# KiCad board Rogelio Pineda part 6-AMLDC-2044B.kicad_pcb (continued)
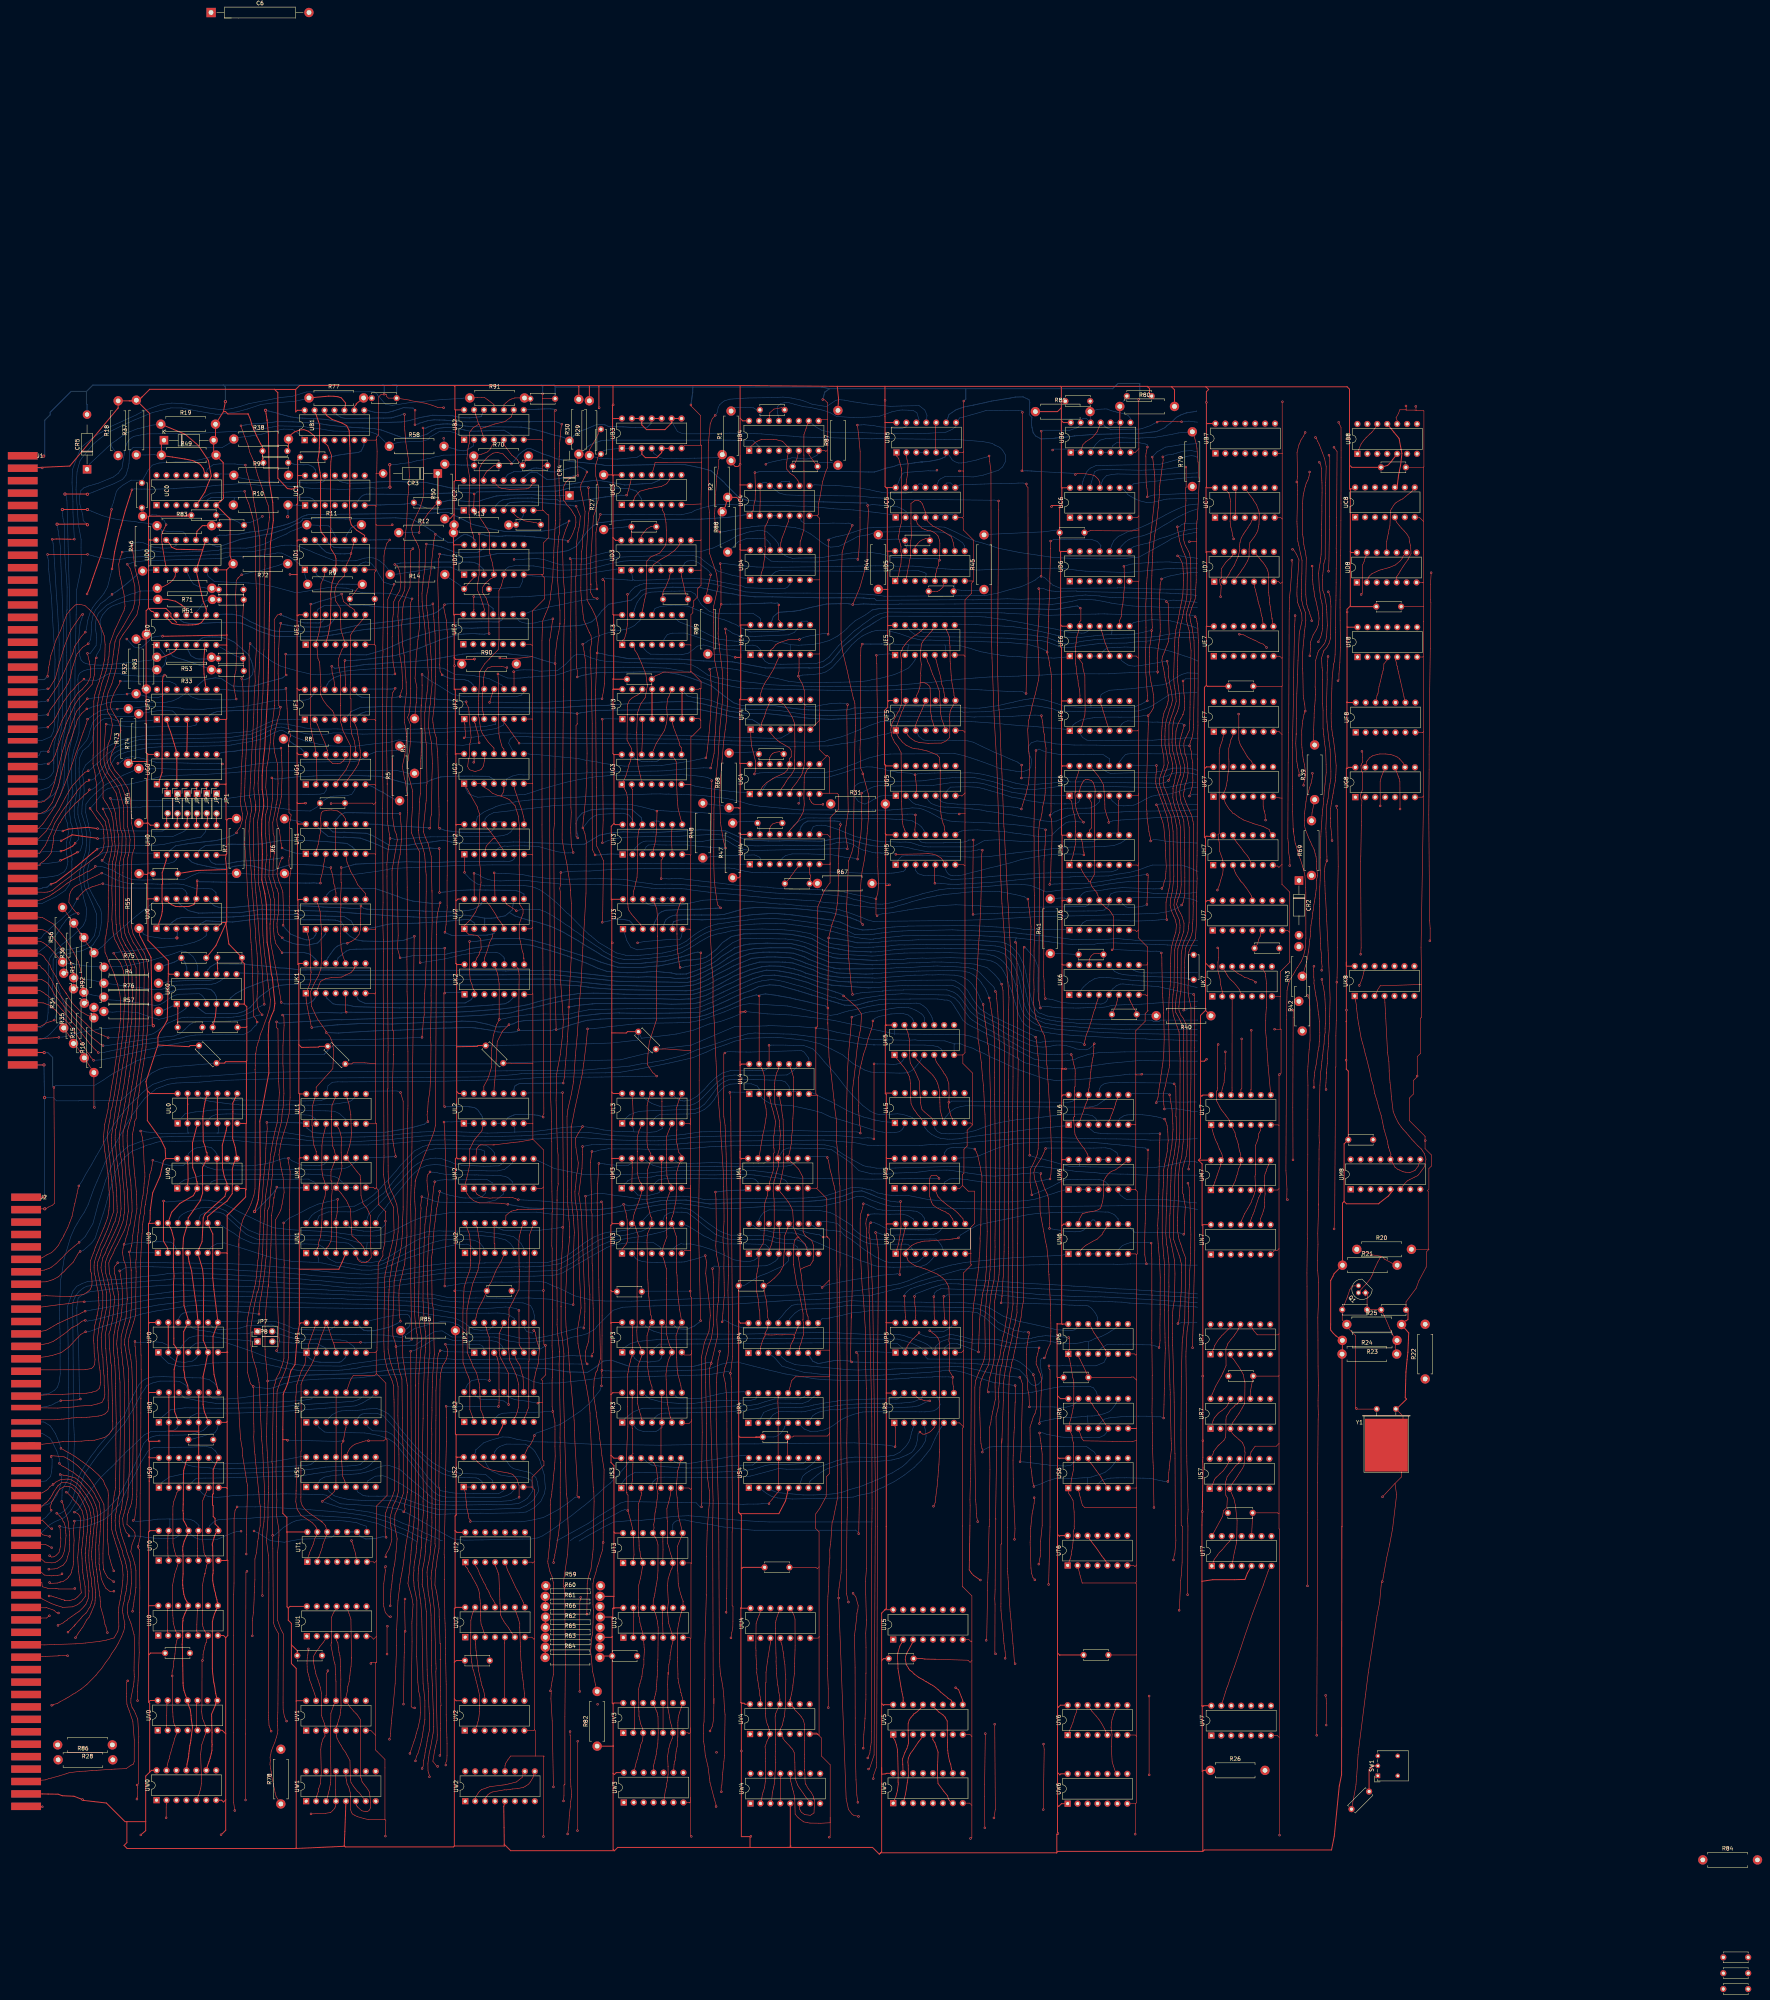
[diagram p0: board, top side]
## Routing (per net, layer and track width the routed paths; a pad name or vN(x,y) marks a point on that pad's centre or on a via; arc(x,y) is an arc through that point) (continued)
V0p10: length 7.8
  Top w0.15: UV0.5 120.09,67.14 120.16,72.39 120.16,73.23 UV0.10
V0p13: length 7.8
  Top w0.15: UV0.13 112.58,73.27 112.58,72.18 112.54,69.6 112.46,66.99 112.46,66.19 UV0.2
V1p12: length 8
  Top w0.15: 153.84,81.16 153.79,81.1 v1(153.72,81.1) 153.72,81.03 153.65,80.97 153.65,80.75 153.3,80.4 153.3,74.86 153.25,74.81 UV1.12
V1p13: length 13.7
  Top w0.15: 148.74,86.6 v1(148.74,86.66) 148.59,85.17 148.56,84.89 148.44,84.34 148.39,82.96 148.42,82.08 148.44,81.32 148.56,80.74 148.76,80.12 148.89,79.59 149.04,78.71 149.53,77.53 149.72,76.82 150.04,76.06 150.35,75.14 150.49,74.65 150.71,73.42
V3p10: length 7.6
  Top w0.15: 239.36,72.84 239.36,65.22
V3p13: length 7.8
  Top w0.15: 231.74,72.84 231.74,72.36 231.98,72.11 232.11,66.6 231.74,65.22
V5p1: length 18
  Top w0.2: UV5.1 298.16,63.94 298.56,63.4 298.97,62.16 299.27,60.81 299.43,54.71 299.4,52.92 299.41,52.58 299.45,52.12 299.23,50.44 299.02,49.62 298.87,49.07 UW5.1
V5p4: length 18.8
  Top w0.2: UW5.2 301.28,49.52 301.48,50.67 301.75,52.47 302.03,54.22 301.99,56.92 301.9,57.74 302.02,58.77 302.28,59.38 302.56,59.98 303.12,60.69 304.59,62.88 305.23,63.65 UV5.4
V5p5: length 19.2
  Top w0.2: UW5.7 312.56,47.85 312.31,48.29 312.01,49.16 311.09,50.29 309.61,52.27 309.42,55.02 309.62,60.3 309.12,61.8 308.81,62.69 308.28,63.48 UV5.5
V5p9: length 5
  Top w0.2: 314.11,76.76 v1(314.11,76.74) 314.87,76.22 315.57,74.37 315.94,73.5 UV5.9
V5p12: length 19.3
  Top w0.2: UW5.10 313.03,56.07 312.86,57.1 312.52,58.09 312.29,59.29 312.18,59.89 312.09,60.76 312,62.81 311.96,68.24 311.48,69.03 311.41,69.23 310.86,69.81 309.79,70.56 308.68,71.64 308.32,71.88 UV5.12
V5p13: length 19.3
  Top w0.2: UW5.15 300.61,57.1 300.54,58.54 301.14,60.21 301.66,61.23 301.89,61.93 302.06,62.61 301.96,65.92 301.97,67.53 302.25,68.51 302.73,69.2 303.21,69.71 303.46,70.08 303.88,70.31 304.31,70.65 305.13,71.43 UV5.13
V6p9: length 18.2
  Top w0.15: UV6.9 354.71,70.58 354.48,69.93 354.08,68.7 353.92,67.8 353.82,66.5 354.08,64.79 353.87,61.81 354.1,57.8 354.45,56.72 354.94,55.24 UW6.9
V6p12: length 9.2
  Top w0.15: UV6.12 348.64,71.21 348.92,70.74 350.02,69.5 350.72,68.62 351.39,67.66 352.08,66.39 UV6.5
V6p13: length 8.1
  Top w0.15: UV6.13 344.94,70.46 344.49,69.33 344.08,67.9 343.58,66.62 UV6.1
V7p13: length 38
  Top w0.15: UV7.13 382.51,73.88 383.12,75.81 383.36,76.62 383.6,77.14 384.31,79.34 385.34,82.1 386.94,86.8 387.87,89.64 389.92,95.58 391.78,100.52 392.73,102.98 393,103.82 393.92,106.38 394.07,106.86 UT7.7
(no net): length 2656.4
  Top w0.15: v1(435.61,361.51) 435.44,358.62 435.42,354.66 435.52,353.83 435.38,342.07 435.23,331.05 435.08,315.09 435.08,311.26 435,299.65 435.21,272.7 435.35,270.71 435.35,267.59 v1(435.26,267.5) ; v1(417.59,264.07) 417.71,265.75 417.57,287.77 417.63,289.14 417.76,297.06 417.76,297.95 417.85,302.06 417.92,303.23 417.69,303.72 417.53,304.75 417.99,306.01 418.1,310.4 417.79,310.79 417.65,312.27 417.74,312.36 417.74,312.53 418.14,313.21 418.04,314.33 418.03,315.77 v1(417.92,315.89) ; v1(321.56,40.95) 321.49,49.03 321.51,52.14 v1(321.69,65.02) ; v1(399.47,286.71) 399.5,286.74 399.5,288.33 399.4,288.71 399.22,289.96 399.09,292.7 398.98,293.68 399.07,313.06 399.21,320.69 399.33,351.71 399.38,352.46 399.41,355.24 399.61,357 399.85,360.22 400.08,364.05 399.98,364.65 v1(400.02,364.69) ; 254.2,50.02 254.2,50.12 v1(254.25,50.17) 254.2,50.22 254.2,51.19 254.38,51.89 254.56,54.47 254.61,55.1 254.9,57.87 255.04,59.42 255.2,69.82 255.05,71.2 254.88,74.54 254.67,76.65 254.35,78.61 254.01,80.27 253.87,82.13 253.74,85.54 253.59,117.21 253.57,119.9 252.93,145.35 252.97,154.67 253.41,160.48 253.71,161.72 v1(253.81,162.64) ; v1(400.17,367.49) 400.48,367.36 401.23,366.16 401.83,364.77 401.48,359.83 401.38,358.83 401.37,358.09 401.34,357.85 401.3,356.34 401.31,355.83 401.33,355.54 401.46,353.98 401.86,352.87 402.19,352.01 402.53,350.97 402.62,349.29 401.9,346.07 401.58,339.06 401.48,335.43 401.28,330.59 401.15,324.27 401.12,320.12 ; 404.18,102.61 v1(403.99,102.75) 404.03,121.4 403.88,179.23 403.87,182.68 403.97,191.48 403.94,192.6 404.02,203.76 404.09,212.96 404.09,221.89 404.09,224.47 404.12,228.13 404.12,230.59 404.05,234.1 404.12,235.49 404.42,239.67 404.66,242.15 404.64,249.69 404.59,251.09 404.47,252.55 404.2,253.17 v1(403.98,253.58) ; v1(405.09,349.25) 404.95,350.02 404.62,350.96 404.45,351.54 404.19,352.15 403.82,353.45 403.71,354.35 403.57,355.89 403.56,358.53 403.7,365.3 403.4,367.21 403.24,367.77 403.06,368.81 402.92,370.22 402.87,370.62 402.76,371.23 402.76,377.74 402.7,378.29 402.73,379.15 402.89,381.13 403.01,381.73 403.3,383 403.43,383.51 403.68,384.38 404.1,385.16 404.34,385.88 404.44,386.36 v1(404.54,387.25) ; 334.3,104.21 334.3,104.25 v1(334.35,104.3) 334.3,104.35 333.83,104.95 333.51,105.97 333.35,107.31 333.14,113.88 333.23,115.44 333.29,117.48 333.33,118 333.65,121.13 333.82,121.97 334.16,123.86 334.22,124.98 v1(334.16,125.28) ; v1(407.69,257.66) 407.77,256.78 408.02,255.99 408.28,254.43 408.4,253.7 408.47,252.59 408.58,250.15 408.62,249.66 408.57,246.41 408.5,245.04 408.52,244.09 408.32,243.02 408.24,241.16 408.04,239.86 407.89,238.18 407.68,236.72 407.59,235.55 407.39,234 407.27,232.17 407.17,230.54 406.96,217.82 407.02,216.08 406.96,214.17 406.95,211.8 406.84,199.91 ; v1(411.97,399.92) 412.18,399.46 412.58,398.6 412.59,392.8 412.59,390.87 412.56,379.18 412.55,374.85 412.5,367.34 412.47,365.81 412.33,354.67 412.33,352.67 412.35,349.35 412.41,342.5 412.28,338.59 412.17,337.26 412.04,335.67 412.04,334.17 v1(411.8,333.92) ; v1(403.42,397.33) 402.97,396.36 402.32,395.38 402.03,394.6 401.8,394.14 401.34,392.24 401.46,386.11 v1(401.28,384.68) 401.39,384.26 401.5,383.87 401.48,382.46 401.48,381.5 401.31,374.64 401.34,373.97 401.37,373.24 401.44,370.36 401.55,369.51 401.81,368.41 402.21,366.48 402.61,364.69 402.58,361.38 402.49,359.74 402.44,357.12 402.44,356.15 402.42,355.33 402.53,354.47 402.86,353 403.11,352.31 403.49,351.33 403.58,349.3 403.4,347.79 403.26,346.66 403.13,345.63 403.14,345.17 402.91,342.96 402.79,341.26 402.79,340.78 402.76,336.95 402.82,335.89 402.92,330.18 403.04,329.4 403.21,328.15 403.31,327.77 v1(403.43,326.17) 403.23,325.68 403.11,325.31 402.79,323.69 402.71,323.05 402.53,321.21 402.54,320.1 402.54,317.55 402.58,316.94 402.69,315.62 402.81,314.68 402.94,313.76 403.25,312.44 403.57,309.85 403.03,307.54 v1(403.03,307.23) ; 400.41,295.19 400.35,296.16 ; 400.35,296.16 400.38,295.46 400.64,294 400.74,293.3 400.86,292.42 401.18,291.51 401.77,289.34 402.22,288.23 402.69,286.77 402.76,286.38 402.96,285.88 403.34,284.26 403.55,281.08 403.58,279.76 403.59,269.76 403.6,268.19 403.39,265.32 402.99,263.58 402.38,262.19 401.47,260.74 401.41,260.74 400.44,258.99 399.52,257.55 399.12,256.44 398.77,254.79 398.69,248.54 398.68,247.37 398.5,208.9 398.77,204.11 398.71,201.56 v1(398.89,201.38) ; 400.35,296.16 400.22,300.47 400.22,302.35 400.19,306.29 400.2,307.02 400.2,316.92 400.17,318.58 400.45,330.39 400.45,334.65 400.71,347.8 400.81,349.4 v1(400.84,350.56) ; 408.9,233.59 408.92,234.73 409.07,236.24 409.06,237.46 409.32,240.55 409.33,241.17 409.43,243.22 409.66,246.34 409.67,248.24 409.78,252.72 ; v1(409.5,391.53) 409.69,391.09 409.7,390.07 409.65,375.77 409.61,372.57 409.49,364.54 v1(409.38,361.9) ; v1(409.32,356.65) 409.58,356.09 409.76,355.53 409.88,354.26 410,352.94 409.93,345.69 409.93,344.85 409.5,343.45 408.92,342.4 408.19,341.61 408.07,341.24 407.58,339.7 407.73,337.25 407.83,336.61 407.88,334.14 407.87,334.13 407.87,328.05 407.98,326.27 407.98,321.71 408.04,321.44 408.15,320.2 408.22,319.65 408.3,318.45 408.66,316.07 408.77,312.54 408.79,310.46 408.49,307.55 408.32,305.86 408.15,303.76 408.04,302.38 407.9,301.12 407.74,299.51 407.65,297.96 407.48,295.43 407.41,294.07 407.3,288.7 407.25,288.65 407.25,285.6 407.3,285.55 407.23,282.81 407.15,281.28 407.09,278.3 407.07,276.86 407.09,276.36 407.07,273.26 407.29,268.01 407.37,266.82 407.41,265.26 407.53,264.37 407.57,263.2 407.57,262.31 407.75,260.97 v1(407.63,259.98) ; 409.78,252.81 409.39,263.11 409.27,265.1 409.2,267.52 409.1,268.73 408.93,272.56 408.85,274.19 408.65,278.19 408.52,279.5 408.46,281.66 408.44,282.65 408.31,285.17 408.52,286.82 v1(408.97,287.96) 408.97,289.01 408.77,294.24 408.75,295.17 408.7,296.16 408.95,302.24 409.12,303.12 409.27,303.91 409.53,306.36 409.77,307.75 409.99,309.03 409.99,310.79 409.78,316.45 409.47,318.74 409.18,321.45 408.98,323.41 408.87,326.54 408.81,327.22 408.86,327.47 409.04,334.18 409.01,335.93 409.15,337.73 409.15,338.84 v1(409.26,340.13) ; v1(130.51,122.93) 130.01,122.04 129.76,120.01 129.73,103.48 129.66,100.56 129.66,90.16 129.64,82.67 129.58,65.23 129.64,47.4 v1(129.94,45.38) ; v1(215.6,65.55) 215.6,64.6 215.69,64.51 215.69,53.41 215.73,53.38 215.81,51.48 216.02,49.53 215.93,48.85 215.76,47.61 215.65,46.28 215.41,44.15 215.23,41.14 v1(214.98,39.38) ; v1(324.09,67.42) 324.25,45.74 v1(323.89,43.48) ; v1(400.36,249.8) 400.36,247.86 400.34,247.85 400.25,224.92 v1(400.3,211.56) ; v1(405.66,260.99) 405.54,260.18 405.61,259.74 405.61,258.33 405.62,258.09 405.7,257.4 405.65,256.68 405.74,256.07 406.02,254.32 406.16,253.39 406.39,252.36 406.59,250.98 406.72,249.57 406.88,248.72 407.05,246.77 407.15,244.04 407.15,243.38 407.01,241.69 406.96,240.59 406.72,239.42 406.24,236.02 406.06,235.1 405.83,233.9 405.76,233.01 405.63,231.83 405.66,231.2 v1(405.66,230.08) ; v1(404.6,340.27) 404.79,342.2 404.74,343.06 404.77,343.79 405.46,345.63 406.38,347.12 406.78,348.21 406.96,349.75 406.85,351.11 406.7,351.78 406.17,354.3 405.82,355.54 405.69,356.74 405.55,357.57 405.4,358.56 405.32,359.83 405.31,360.69 405.28,362.38 v1(405.18,363.21) ; v1(406.78,343.86) 407.39,345.09 407.65,346.1 407.88,347.27 407.86,348.07 407.88,349.18 407.85,350.48 407.9,351.05 407.73,353.59 407.38,355.03 407.19,356.61 407.01,357.67 406.85,361.38 407.02,362.94 407.23,364.01 407.36,365.04 407.49,366.15 407.6,370.9 407.55,372.43 407.64,373.94 407.68,377.09 407.68,378.69 407.73,381.93 407.73,383.13 407.7,384.47 407.67,385.07 407.55,388.13 407.39,389.11 407.3,389.32 v1(407.02,389.73) ; v1(218.29,99.81) 218.29,99.17 218.08,98.96 218.02,80.05 v1(218.08,75.79) ; v1(173.04,72.54) 173.19,84.39 173.23,85.69 173.25,87.88 173.27,90.96 v1(173.46,91.15) 173.35,96.05 173.37,98.42 173.37,99.35 v1(173.43,99.41) ; 406.45,64.47 v1(406.36,64.6) 406.63,119.7 406.54,129.07 406.63,133.91 406.73,145.15 406.79,146.58 406.7,148.7 406.7,150.15 406.79,153.84 406.7,158.91 406.68,165.53 406.64,171.22 406.89,177.31 406.85,180.25 406.6,183.42 406.58,185.92 406.69,189.99 406.63,192.69 406.82,198.98 406.84,200.3 ; 371.28,345.83 371.11,344.65 371.01,343.64 371.01,342.97 370.91,340.49 370.78,339.04 370.83,337.68 370.78,337.03 370.78,336.74 370.78,336.27 370.74,335.52 370.73,334.76 370.98,332.59 371.23,330.79 371.28,330.01 371.33,329.11 371.18,327.47 371,326.86 370.79,326.09 370,324.38 369.77,323.39 369.64,322.64 369.47,320.33 369.39,318.15 369.58,315.99 369.88,315.06 370.05,314.09 370.35,313.07 370.46,312.41 370.54,311.95 370.48,310.94 370.49,310.25 370.14,308.71 369.98,307.78 369.81,307.27 369.6,306.46 369.66,306.39 369.66,305.64 369.59,304.16 369.79,302.85 370.08,302.08 370.15,301.62 370.55,300.74 370.83,299.67 370.97,299.16 371.09,298.74 371.3,298.21 371.32,297.76 371.54,296.54 371.74,281.8 371.6,279.98 371.31,279.28 371.18,278.81 370.89,278.13 370.73,277.51 370.57,276.81 370.8,276.11 371.13,275.23 371.56,274.56 371.95,273.68 372.46,272.01 372.4,269.97 371.73,267.88 371.32,266.68 370.88,265.51 370.79,260.71 370.88,256.2 370.84,255.48 370.78,254.92 370.54,253.62 370.45,252.86 370.32,251.4 370.28,250.93 370.34,249.26 371.22,247.69 371.53,247.01 372.27,245.43 372.28,244.52 372.4,242.59 372.33,237.64 372.26,216.3 372.05,214.52 371.88,212.37 371.35,210.42 371.1,207.88 371.04,202.27 370.84,196.93 370.8,195.96 370.73,194.78 370.8,193.39 371.03,192.1 371.2,191.16 371.63,190.03 372.18,188.3 372.9,186.43 372.64,170.74 372.5,169.66 372.32,168.03 372.17,166.32 372,164.98 371.77,156.19 371.68,142.57 371.74,118.26 372.01,117.98 371.98,108.81 371.75,105.38 371.61,104.18 371.26,96.52 371.26,96.52 v1(371.22,96.52) 371.22,96.48 371.19,96.45 ; v1(410.78,393.54) 411.56,392.45 411.46,375.53 411.47,373.61 411.34,367.65 411.4,366.64 411.35,362.63 411.32,359 411.3,355.72 411.27,354.38 411.15,347.52 411.14,346.99 411.19,346.19 411.06,340.55 410.92,338.9 410.67,338.18 410.31,334.62 410.23,331.89 410.05,325.51 410.07,323.36 410.18,322.21 410.23,321.47 410.46,319.89 410.6,319.1 410.94,316.59 411.14,314.5 411.34,312.2 411.26,309.95 411.18,309.16 411.14,308.37 410.9,307.16 410.57,305.19 ; v1(410.28,293.09) 410.18,294.67 409.94,296.64 409.83,297.68 409.89,298.61 409.89,298.85 409.84,298.71 409.93,301.32 410.11,302.65 410.38,304.15 410.58,305.24 ; v1(401.86,309.73) 401.86,310.5 401.5,311.8 401.46,312.29 401.28,313.23 401.01,317.9 401.12,320.43 ; 363.57,54.32 363.54,54.35 363.54,54.45 v1(363.57,54.48) 363.54,54.52 v1(363.54,74.62) 363.54,74.85 ; 408.9,234.07 408.78,232.32 408.73,231.32 408.67,230.43 v1(408.75,229.52) ; v1(169.72,94.87) 169.35,94.87 168.4,95.92 168,97.48 167.92,98.28 168,103.37 168.43,106.79 168.24,107.46 v1(168.47,107.69) ; v1(168.93,92.47) 168.83,92.38 v1(168.83,85.33) 168.83,85.22 ; v1(408.78,67.2) 408.85,72.79 408.78,73.97 v1(408.65,74.78) ; v1(410.8,193.91) 410.96,198.24 411.19,235.24 411.26,235.3 411.26,243.23 411.36,247.08 v1(411.5,256.94) 411.56,258.14 411.71,265.75 411.68,265.78 411.68,277.09 411.85,286.4 411.71,301.04 411.45,301.3 v1(411.45,301.92) ; v1(217.55,63.07) 217.55,40.13 ; 373.42,100.26 v1(373.38,100.51) 373.46,118.04 373.38,119.86 373.5,122.19 373.18,134.42 373.17,135.96 373.08,147.36 373.08,149.54 372.94,161.42 372.97,162.54 373.24,167.83 373.52,169.65 373.57,172.74 373.6,173.68 373.71,176.1 373.73,177.81 373.84,179.69 373.93,183.38 374.11,185.81 374.11,187.57 374.16,189.26 374.21,192.41 374.16,194.17 374.01,199.49 373.96,200.55 373.91,201.5 373.86,202.57 373.76,204.49 373.62,205.13 v1(373.46,205.6) ; 371.24,345.26 371.41,346.96 371.63,348.26 372.07,350.13 372.05,350.15 372.2,350.73 372.34,351.73 372.61,352.69 372.97,354.22 373.22,355.87 373.29,361.22 373.25,361.65 373.18,363.66 372.99,365.11 372.62,366.19 372.23,367 371.79,368.25 371.29,369.69 371.25,370.13 370.87,372.29 v1(370.76,373.24) ; v1(393.57,342.41) 392.71,343.27 391.71,343.63 390.74,344.18 390.34,344.32 389.48,344.73 388.91,344.98 387.72,345.63 387.07,345.78 v1(386.59,345.8) ; v1(287.9,100.84) 288.6,99.98 289.21,97.73 289.12,96.69 288.89,95.79 288.85,94.88 288.47,91.72 288.27,90.09 288.41,81.87 288.45,69 288.45,62.26 288.65,53.28 288.87,49.32 v1(289.12,47.48) ; v1(133.04,106.46) 132.78,106.2 132.67,68.52 132.63,65.15 132.68,64.73 132.68,48.07 v1(132.69,48.06) ; v1(336.56,62.35) 336.74,61.01 v1(336.5,45.62)
  Bottom w0.15: 179.65,114.33 177.65,115.09 175.95,115.84 173.86,116.95 171.96,117.71 169.3,119 165.8,120.09 163.07,120.74 158.04,121.45 155.12,121.72 149.32,122.18 147.46,122.3 146.61,122.42 144.27,122.52 141.69,122.67 137.71,122.86 136.79,122.98 135.2,122.93 132.74,122.95 132.71,122.93 v1(130.51,122.93) ; v1(370.76,373.24) 371.29,373.24 371.82,373.77 372.51,374.06 375.89,374.19 ; 217.89,114.18 220.3,115.64 223.69,117.51 226.71,119.05 232.31,119.55 233.76,119.5 237.06,119.81 241.97,120.5 245.77,120.67 253.5,120.05 256.14,119.72 260.17,119.43 263.82,119.18 266.43,119.08 292.88,119.08 ; 123.59,312.75 120.32,312.81 117.86,312.89 109.8,313.09 107.33,313.84 105.49,314.25 103.65,314.54 102.18,314.28 100.33,312.81 v1(100.05,312.81) ; v1(126.79,312.65) 125.81,312.81 123.52,312.75
  vias: v1(217.49,40.23) v1(222.62,72.51) v1(253.01,60.24)
+V TERM: length 538
  Top w0.15: 86.27,192.31 87.29,194.31 87.77,195.59 88.35,197.11 88.66,198.64 89.05,200.42 ; J2.13 81.24,183.39 81.92,183.65 82.46,183.81 83.04,184.13 84.26,185.06 85.37,186.16 85.91,186.63 86.53,187.34 87.57,188.36 89,189.54 v1(90.17,190.49) 90.13,190.6 ; 86.32,192.44 86.12,191.92 85.56,191.03 84.89,189.77 84.12,188.82 83.12,187.88 81.9,187.28 80.61,186.51 J2.11 ; v1(289.75,218.39) 289.75,218.88 289.78,219.6 289.61,220.54 289.34,223.98 289.35,225.43 289.38,226.21 289.3,232.47 289.7,234.91 289.99,236.09 290.25,237.21 290.59,238.59 291.16,240.18 291.7,242.28 292.49,244.6 292.89,245.88 v1(292.98,247.06) ; 89.05,200.3 89.63,202.89 89.9,204.22 v1(90.09,204.9) 90.09,205.01
  Bottom w0.15: v1(289.75,218.39) 288.91,218.7 287.34,218.71 286.79,218.71 273.98,219.02 258.94,218.84 249.05,218.72 245.06,218.12 240.77,217.63 236.83,217.46 226.96,217.71 220.36,218.54 213.62,218.58 209.53,218.12 203.2,217.69 198.31,217.57 195.23,217.51 193.96,217.52 188.48,217.63 182.89,217.88 177.74,217.62 174.86,217.34 169.79,216.77 168.09,216.67 164.95,216.45 162.19,216.31 159.32,216.26 150.33,216.35 148.36,216.56 143.67,217.09 127.45,217.48 119.52,217.46 113.69,217.48 111.35,217.41 109.22,217.2 106.33,216.4 102.73,215.05 100.14,212.79 98.87,210.92 96.98,206.41 96.11,203.67 95.05,200.36 93.67,195.26 91.68,191.93 v1(90.17,190.49) ; UK5.12 303.44,246.85 303.24,247.28 303.01,247.66 302.99,247.76 301.95,248.57 300.69,248.92 300.14,248.95 297.58,248.81 296.09,248.46 294.63,248.2 293.47,247.71 v1(292.98,247.06) ; 293.08,240.93 291.2,241 289.27,241.18 285.53,241.89 283.31,242.18 282.36,242.33 275.33,243.29 272.16,243.67 270.09,243.71 265.14,243.85 262.87,243.97 260.99,243.74 256.32,242.44 252.5,241.1 247.98,239.64 244.7,238.32 239.49,236.98 236.72,236.52 234.9,236.17 233.9,236.1 230.77,235.5 219.15,234.48 207.11,234.38 199.47,234.3 186.38,234.15 176,234.11 163.77,234.09 148.15,234.09 134.92,233.84 123.51,232.97 121.16,232.95 114.95,232.46 112.78,232.14 108.97,230.84 107.42,229.66 106.33,228.71 102.83,225.38 101.8,224.16 99.06,220.63 97.46,217.79 95.72,214.51 94.43,212.31 93.35,210.36 91.83,207.87 90.99,206.25 v1(90.09,204.9) ; 293.08,240.93 293.47,240.91 ; 293.08,240.93 306.11,240.87 308.36,240.71 309.59,240.43 310.46,239.82 310.72,239.38 UK5.6
/A77: length 63.9
  Top w0.15: 88.78,255.3 R35.2 ; 87.95,262.2 87.36,263.11 87,263.64 85.43,265.94 83.93,267.86 83.09,268.88 82.31,269.53 81.93,269.85 81.11,270.25 80.32,270.43 76.05,270.43 J1.77 ; 87.9,262.28 88.41,261.03 88.58,260.03 88.79,258.06 R36.1
  Bottom w0.15: R35.2 88.78,255.3 R36.1 91.14,257.79 92.15,257.59 93.43,257.47 94.69,257.18 R4.1 99.75,256.31 102.37,255.87 107.5,255.33 108.98,255.06 111.26,255.13 115.09,256.18 116.51,256.2 122.7,256.35 124.08,256.42 125.07,256.66 126.17,257.23 127.16,257.95 127.41,258.17 UK0.9
/C14p2: length 7.6
  Top w0.15: C14.2 222.79,397.46 222.79,396.95 222.08,395.54 220.62,393.03 220.53,391.45
/D8p13: length 11.2
  Top w0.15: UD8.13 418.91,365.57 418.62,364.98 418.49,364.4 418.11,363.54 418.02,356.3 417.72,356 v1(417.72,355.95) 417.67,355.95 417.6,355.88
/G8p11: length 10.2
  Top w0.15: 422.67,301.82 422.57,301.92 v1(422.57,301.95) 422.57,308.2 422.87,309.36 UG8.11
/Pad6p6: length 2.6
  Top w0.15: 273.98,302.51 273.98,302.6 v1(274,302.62)
  Bottom w0.15: v1(274,302.62) 274.23,302.85 UG4.6
/Pad14p14: length 6.1
  Top w0.15: C12.2 269.12,315.82 267.88,315.62 267.4,315.38 267.39,315.37 267.04,315.03 266.84,314.71 266.61,314.28 UG4.14
/Pad15p15: length 11.5
  Bottom w0.15: R68.2 262.25,315.73 263.11,315.75 263.83,315.71 C12.1 264.37,315.2 264.53,315.04 264.07,314.58 UG4.15
/R10p2: length 7.5
  Top w0.25: v2(143.43,375.8) 143.43,375.75 143.38,375.7
  Bottom w0.2: UC1.1 R10.2 143.53,375.9 v2(143.43,375.8)
/R39p1: length 5.4
  Top w0.15: R39.1 405.18,300.19 R69.2
/R39p2: length 80.1
  Top w0.15: 406.05,396.07 v1(406.05,396.05) 406.07,396.05 406.24,395.88 406.6,395.06 406.91,394.46 407.07,394.12 407.38,393.32 407.81,392.2 408.39,390.63 408.78,388.64 408.66,384.52 408.61,383.82 408.61,381.74 408.53,365.04 408.19,363.86 407.9,360.87 407.86,359.84 407.92,356.95 408.36,355.83 408.88,352.78 408.91,352.12 408.95,351.33 409.07,348.14 408.88,345.22 408.69,344.27 408.35,343.41 408.16,343.17 406.85,341.57 406.64,341.04 406.07,339.06 405.96,332.46 405.97,332.15 406.05,331.7 406,330.31 405.97,328.97 405.84,327.37 405.79,326.55 405.71,325.59 405.7,324.58 405.59,321.48 405.62,320.26 405.56,318.95 R39.2
/R42p2: length 53.3
  Top w0.15: R42.2 403.15,258.92 403.08,259.72 403.43,260.87 403.57,261.3 404.01,263.1 404.19,264.53 404.27,264.69 404.33,265.27 404.52,267.22 404.6,267.83 404.72,268.69 404.78,269.95 404.89,271.47 405.18,273.18 405.33,274.58 405.46,275.35 405.64,276.74 405.79,277.57 405.92,278.43 406.09,279.45 406.18,280.31 406.25,280.88 406.25,282.9 406.6,284.15 406.33,286.06 406.37,287.7 406.18,289.01 405.97,289.71 405.8,290.48 405.68,290.89 405.12,291.96 404.77,292.81 404.48,293.36 404.23,293.98 404.08,294.38 403.42,296.1 403.26,296.92 403.18,298.27 403.25,300.04 403.63,303.07 403.87,304.52 404.17,305.29 404.56,306.66 404.93,307.77 405.14,308.78 405.29,309.55 v1(405.26,310.29) 405.29,310.25
/R50P2: length 55.9
  Top w0.15: CR3.1 182.07,386.59 181.95,381.79 181.89,381.04 181.88,380.91 C28.2 181.05,378.68 179.26,376.63 178.43,375.31 177.18,373.38 v1(177.04,371.78)
  Bottom w0.2: C28.2 183.2,379.64 184.85,380.04 189.9,379.69 192.25,379.71 193.55,380.23 196.73,381.1 199.62,381.34 205.7,381.48 208.76,381.24 210.31,381.24 212.33,381.2 CR4.1 ; R12.1 177.01,371.75 v1(177.04,371.78)
/R60p1: length 2.6
  Top w0.25: R60.1 209.27,97.47 R61.1
/R64p1: length 2.6
  Top w0.25: R64.1 209.24,87.05 R63.1
/R66p1: length 2.6
  Top w0.25: R62.1 209.33,92.19 R66.1
/UG4A: length 5.7
  Top w0.15: 280.39,302.45 280.28,302.35 v1(280.2,302.35) 280.2,302.26 279.52,302.28 277.87,302.4 277.35,302.75 277.32,302.75 277.15,303.09 276.85,303.61 276.77,303.69 UG4.7
B1p2: length 12.5
  Top w0.25: UB1.2 150.32,396.41 148.73,397.65 147.58,398.05 146.48,397.95 145.18,397.45 143.65,396.32 R38.2 143.65,392.87 C45.2
B1p3: length 54.5
  Top w0.2: UE1.3 153.85,345.87 154.36,348.68 154.51,354.66 154.42,356.02 154.79,358.92 155.46,360.9 UD1.4 155.8,363.62 155.79,365.18 155.6,365.54 155.62,365.82 154.79,367.14 154.36,367.94 154.36,371.34 154.4,372.26 154.44,371.77 154.44,378.36 154.37,378.43 154.37,386.54 154.39,386.55 154.47,389.83 154.67,391.41 153.69,393.94 152.86,394.67 UB1.3